# Altium PCB STM32F407IGH6BGA.PcbDoc (continued)
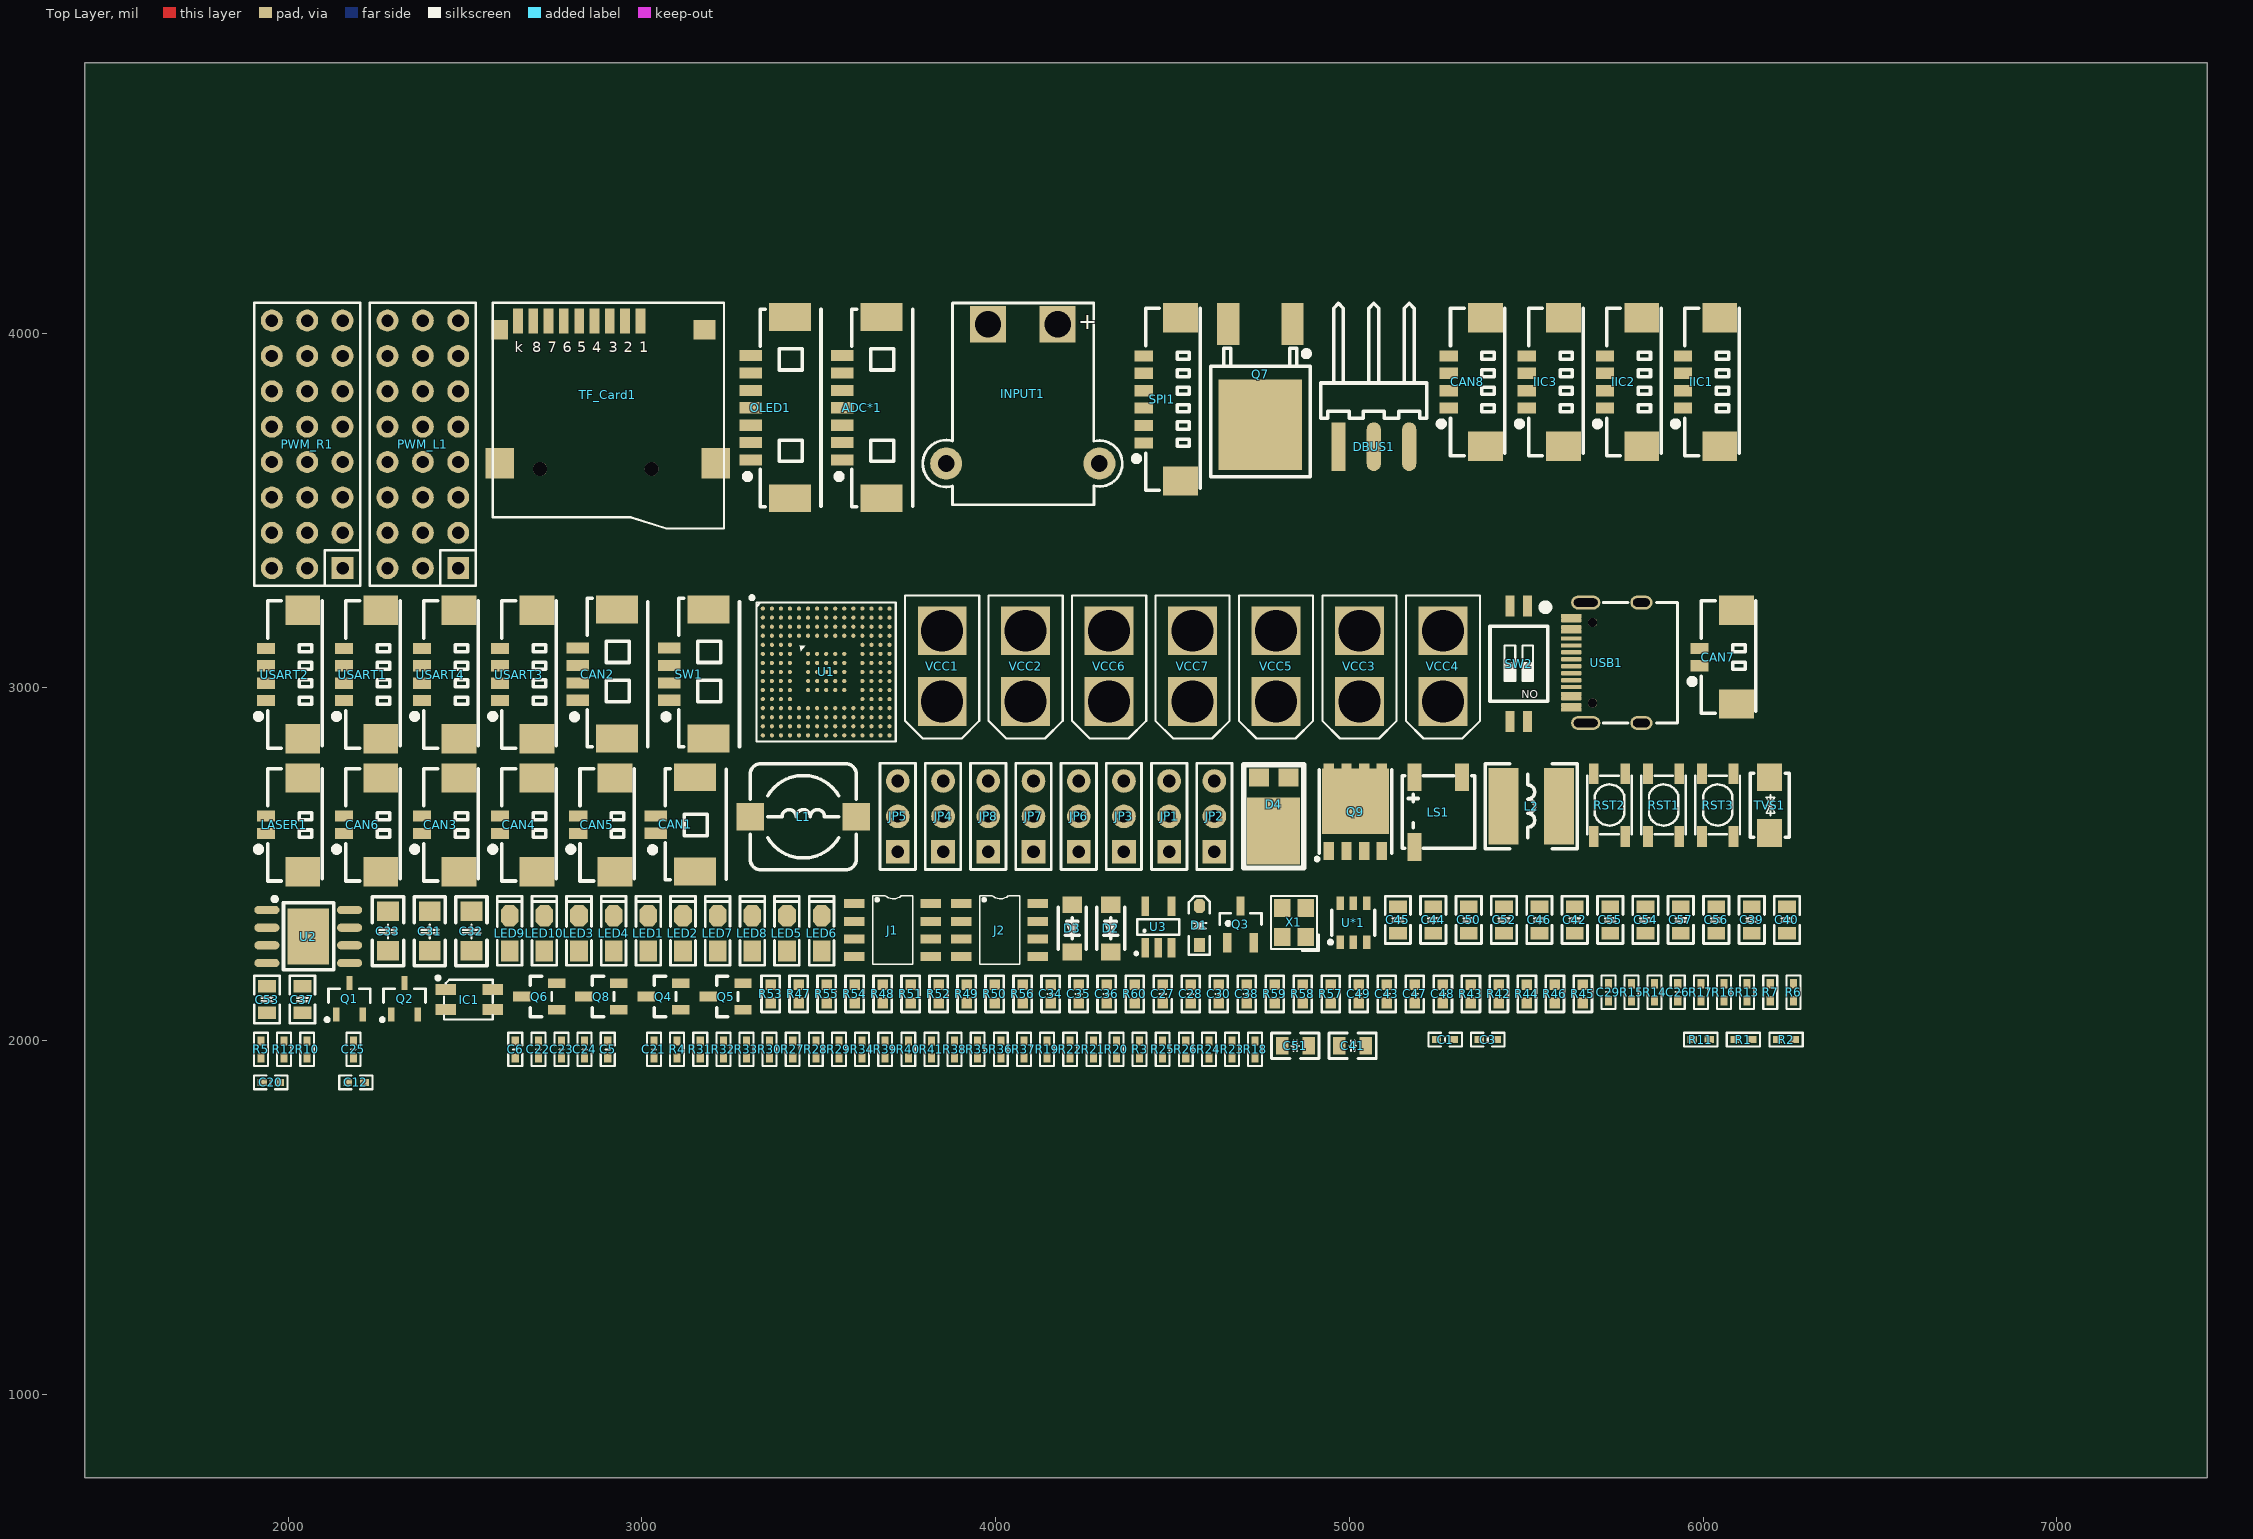
[diagram p0: Top Layer view]
## Components (designator, comment, footprint, x,y, rotation, side; value= is the part's Value field where it differs from the comment) (continued)
R51 "40.2K" "R 0603_L" 3759.65,2132.74 r90 top
R52 "1M" "R 0603_L" 3838.83,2132.74 r90 top
R53 "17.8K" "R 0603_L" 3363.74,2132.74 r90 top
R54 "243K" "R 0603_L" 3601.29,2132.74 r90 top
R55 "7.68K" "R 0603_L" 3522.11,2132.74 r90 top
R56 "200K" "R 0603_L" 4076.37,2132.74 r90 top
R57 "0R" "R 0603_L" 4947.37,2132.74 r90 top
R58 "100K" "R 0603_L" 4868.19,2132.74 r90 top
R59 "12K" "R 0603_L" 4789.01,2132.74 r90 top
R60 "2.2K" "R 0603_L" 4393.1,2132.74 r90 top
RST1 "RST" SMD-3.2*4.2 5888.42,2666.57 r90 top
RST2 "KEY" SMD-3.2*4.2 5735.44,2666.57 r90 top
RST3 "KEY" SMD-3.2*4.2 6041.41,2666.57 r90 top
SPI1 "HDR-1X6" "MX 1.25-LS-6P" 4507.77,3814.17 r90 top
SW1 "SWD" "MX 1.25-WS-4P" 3188.01,3037.27 r90 top
SW2 "SW-2P" "CSW1.27 SMD-2P" 5479.08,3066.09 r180 top
TF_Card1 "TF_Card" "Micro SD" 2869.65,3617 r0 top
TVS1 "SMAJ28CA" SMA(DO-214AC) 6188.02,2666.57 r90 top
U1 "STM32F407IGH6_MX" UBGA-176+25 3520.73,3043 r0 top
U2 "TPS54540DDAR" TPS54540 1939.43,2370.03 r0 top
U3 "RT9013-33GB" SOT23-5M 4459.82,2322.18 r0 top
U*1 "JW5026" SOT-23-6_L2.9-W1.6-P0.95-LS2.8-BL 5011.25,2333.99 r0 top
USART1 "HDR-1X4" "MX 1.25-LS-4P" 2246.5,3036.39 r90 top
USART2 "HDR-1X4" "MX 1.25-LS-4P" 2025.75,3036.39 r90 top
USART3 "HDR-1X4" "MX 1.25-LS-4P" 2688,3036.39 r90 top
USART4 "HDR-1X4" "MX 1.25-LS-4P" 2467.25,3036.39 r90 top
USB1 "USB_Type-C" Type-C-TOP 5726.51,3069.04 r0 top
VCC1 "XT30" XT30UPB-F 3848.58,3059.71 r90 top
VCC2 "XT30" XT30UPB-F 4084.58,3059.71 r90 top
VCC3 "XT30" XT30UPB-F 5028.58,3059.71 r90 top
VCC4 "XT30" XT30UPB-F 5264.58,3059.71 r90 top
VCC5 "XT30" XT30UPB-F 4792.58,3059.71 r90 top
VCC6 "XT30" XT30UPB-F 4320.58,3059.71 r90 top
VCC7 "XT30" XT30UPB-F 4556.58,3059.71 r90 top
X1 "12M" "OSC 3225-4P" 4843.31,2334.84 r90 top

## Footprints (in the part's own frame and the unit in brackets; to place one, negate y for a bottom-side part, rotate by r counter-clockwise, add the part's x,y. Pads: shape width x height; smd on the part's side, far side on the other; paste and mask are expansions set on the pad)
BUZ-SMD_4P-L5.0-W5.0-P3.80-TL [mm]
  rect 1x2 smd: 1(-1.7,2.5) 2(-1.7,-2.5) 3(1.7,2.5)
  silkscreen extent -2.6,-2.6 2.6,2.6, body extent -2.5,-2.48 2.5,2.53, height 2.51
"C 0402_M" [mil] "无极性贴片电容                                  淘宝ID:黄晶宝石"
  rect 26x20 smd: 1(-24,0) 2(24,0)
  silkscreen extent -47,-20 47,20, body extent -20,-10 20,10, height 21
"C 0603_L" [mil] "无极性贴片电容                                       淘宝ID:黄晶宝石"
  rect 30x30 smd: 1(-25.59,0) 2(25.59,0)
  silkscreen extent -51,-26 51,26, body extent -31,-16 31,16, height 32
"C 0805_L" [mil] "无极性贴片电容                                        淘宝ID:黄晶宝石"
  rect 35x50 smd: 1(-37.4,0) 2(37.4,0)
  silkscreen extent -67,-36 67,36, body extent -39,-24 39,24, height 20
"C 1206_L" [mil] "无极性贴片电容"
  rect 55x62 smd: 1(-55.12,0) 2(57.09,0)
  silkscreen extent -96,-44 98,44, body extent -63,-32 63,32, height 48
CD53 [mm] "5.8*5.2*3.5mm（长宽高）        淘宝ID:黄晶宝石"
  rect 2.15x5.5 smd: 1(-2,0) 2(2,0)
  silkscreen extent -3.3,-3.05 3.3,3.05, body extent -2.87,-2.5 2.87,2.5, height 3.6
CDRH73 [mm] "7.3*7.3*3.4mm（长宽高）"
  rect 2x2 smd: 1(-3.81,0) 2(3.81,0)
  silkscreen extent -3.81,-3.81 3.81,3.81, body extent -3.65,-3.65 3.65,3.65, height 3.65
"CSW1.27 SMD-2P" [mm] "长：4.14mm，宽：5.4mm，高：2.3mm          淘宝ID:黄晶宝石"
  rect 0.65x1.5 smd: 1(-0.635,-4.15) 2(0.635,-4.15) 3(0.635,4.15) 4(-0.635,4.15)
  silkscreen extent -2.15,-4.31 2.07,2.7, body extent -2.07,-4.35 2.07,4.35, height 2.35
HDR2.54-LI-3P [mm] "排针，3脚"
  rect 1.7x1.7 hole 0.9: 1(-2.54,0)
  round 1.7 hole 0.9: 2(0,0) 3(2.54,0)
  silkscreen extent -3.81,-1.27 3.81,1.27, body extent -3.81,-1.27 3.81,1.27, height 8.5
HDR2.54-WS-3P [mm] "3P卧式贴片排针2.54"
  rect 1.02x3.5 smd: 1(-2.54,0)
  oval 1.02x3.5 smd: 2(0,0) 3(2.54,0)
  silkscreen extent -3.81,2.03 3.81,10.29, body extent -3.81,-0.76 3.81,10.34, height 2.54
"LED 0805G" [mil] "绿色0805LED                              淘宝ID:黄晶宝石"
  rect 60x50 smd: 1(-50,0)
  oct 60x50 smd: 2(50,0)
  silkscreen extent -90,-35 105,35, body extent -39,-25 39,25, height 26
"LED 0805R" [mil] "红色0805LED                                       淘宝ID:黄晶宝石"
  rect 60x50 smd: 1(-50,0)
  oct 60x50 smd: 2(50,0)
  silkscreen extent -90,-35 105,35, body extent -39,-25 39,25, height 32
"LED 3528-4Pin" [mm] "4脚，3528LED                             淘宝ID:黄晶宝石"
  rect 1.5x0.8 smd: 1(-1.689,0.725) 2(-1.689,-0.725) 3(1.689,-0.725) 4(1.689,0.725)
  silkscreen extent -2.37,-1.42 1.69,1.68, body extent -1.88,-1.4 1.62,1.4, height 1.95
"Micro SD" [mm] "淘宝ID:黄晶宝石   店铺网址:https://shop463601444.taobao.com"
  round 1 hole 1 unplated: 0(-4,0) 0(4,0)
  rect 0.7x1.8 smd: 1(3.2,10.627) 2(2.1,10.627) 3(1,10.627) 4(-0.1,10.627) 5(-1.2,10.627) 6(-2.3,10.627) 7(-3.4,10.627) 8(-4.5,10.627) 9(-5.6,10.627)
  rect 2.032x2.2 smd: 10(-6.9,0.4) 10(8.6,0.4)
  rect 1.2x1.4 smd: 10(-6.9,10)
  rect 1.6x1.4 smd: 10(7.8,10)
  silkscreen extent -7.4,-4.28 9.2,11.94, body extent -7.05,-4 8.95,11.25, height 2
"MX 1.25-LS-2P" [mm] "长：7.25m，宽：3.7mm，高：4.7mm"
  rect 2.1x2.5 smd: 0(-3.382,-0.381) 0(3.354,-0.381)
  rect 0.8x1.3 smd: 1(-0.639,2.261) 2(0.611,2.261)
  silkscreen extent -4.04,-1.78 4.02,2.99, body extent -3.83,-1.6 3.83,2.5, height 4.7
"MX 1.25-LS-4P" [mm] "长：9.75m，宽：3.7mm，高：4.7mm"
  rect 2.1x2.5 smd: 0(-4.632,-0.381) 0(4.604,-0.381)
  rect 0.8x1.3 smd: 1(-1.889,2.261) 2(-0.639,2.261) 3(0.611,2.261) 4(1.861,2.261)
  silkscreen extent -5.29,-1.78 5.27,2.99, body extent -5.07,-1.6 5.07,2.5, height 4.7
"MX 1.25-LS-6P" [mm] "长：12.25m，宽：3.7mm，高：4.7mm"
  rect 2.1x2.5 smd: 0(-5.882,-0.381) 0(5.854,-0.381)
  rect 0.8x1.3 smd: 1(-3.139,2.261) 2(-1.889,2.261) 3(-0.639,2.261) 4(0.611,2.261) 5(1.861,2.261) 6(3.111,2.261)
  silkscreen extent -6.54,-1.78 6.52,2.99, body extent -6.32,-1.6 6.32,2.5, height 4.7
"MX 1.25-WS-2P" [mm] "长：7.65mm，宽：4.2mm，高：3.4mm"
  rect 2x3 smd: 0(-3.382,0) 0(3.382,0)
  rect 0.8x1.6 smd: 1(-0.639,2.811) 2(0.611,2.811)
  silkscreen extent -3.98,-2.23 4,3.25, body extent -3.83,-2.1 3.83,3.09, height 3.4
"MX 1.25-WS-4P" [mm] "长：10.15mm，宽：4.2mm，高：3.4mm"
  rect 2x3 smd: 0(-4.632,0) 0(4.632,0)
  rect 0.8x1.6 smd: 1(-1.889,2.811) 2(-0.639,2.811) 3(0.611,2.811) 4(1.861,2.811)
  silkscreen extent -5.23,-2.23 5.45,3.25, body extent -5.07,-2.1 5.07,3.09, height 3.4
"MX 1.25-WS-7P" [mm] "长：13.9mm，宽：4.2mm，高：3.4mm"
  rect 2x3 smd: 0(-6.507,0) 0(6.507,0)
  rect 0.8x1.6 smd: 1(-3.764,2.811) 2(-2.514,2.811) 3(-1.264,2.811) 4(-0.014,2.811) 5(1.236,2.811) 6(2.486,2.811) 7(3.736,2.811)
  silkscreen extent -7.11,-2.23 7.08,3.25, body extent -6.95,-2.1 6.95,3.09, height 3.4
"OSC 3225-4P" [mm] "3.2*2.5*0.7mm(长宽高)                         淘宝ID:黄晶宝石"
  rect 1.3x1.2 smd: 1(-1.05,-0.85) 2(1.05,-0.85) 3(1.05,0.85) 4(-1.05,0.85)
  silkscreen extent -2.03,-1.75 1.91,1.65, body extent -1.6,-1.25 1.6,1.25, height 0.7
PG-TDSON-8_L5.0-W6.0-P1.27-LS6.2-BL-EP [mil]
  rect 29.5x51.2 smd: 1(-75,-111) 2(-25,-111) 3(25,-111) 4(75,-111) 5(75,111) 6(25,111) 7(-25,111) 8(-75,111)
  rect 189x185 smd: 8(0,29)
  silkscreen extent -112,-138 102,118, body extent -105,-121 106,121, height 39
PG-TO252-3 [mil]
  rect 118.1x63 smd: 1(142.4,-90.52)
  rect 255.9x236.2 smd: 2(-142.4,0.03)
  rect 118.2x63 smd: 3(142.15,90.53)
  silkscreen extent -290,-141 74,141, body extent -241,-129 141,130, height 91
"PIN-3*8-2.54 - duplicate" [mil] "PIn Header"
  rect 62x62 hole 35: 1(0,0)
  round 62 hole 35: 2(0,100) 3(0,200) 4(100,0) 5(100,100) 6(100,200) 7(200,0) 8(200,100) 9(200,200) 10(300,0) 11(300,100) 12(300,200) 13(400,0) 14(400,100) 15(400,200) 16(500,0) 17(500,100) 18(500,200) 19(600,0) 20(600,100) 21(600,200) 22(700,0) 23(700,100) 24(700,200)
  silkscreen extent -50,-50 750,250, body extent -50,-50 750,250, height 335
"R 0402_M" [mil] "1/16W贴片电阻       淘宝ID:黄晶宝石"
  rect 26x20 smd: 1(-24,0) 2(24,0)
  silkscreen extent -47,-20 47,20, body extent -20,-10 20,10, height 12
"R 0603_L" [mil] "1/10W贴片电阻                 淘宝ID:黄晶宝石"
  rect 30x30 smd: 1(-25.59,0) 2(25.59,0)
  silkscreen extent -51,-26 51,26, body extent -31,-16 32,16, height 16
SMA(DO-214AC) [mm]
  rect 2x1.8 smd: 1(-2,0) 2(2,0)
  silkscreen extent -2.3,-1.4 2.3,1.4, body extent -2.54,-1.27 2.56,1.33, height 2.15
SMD-3.2*4.2 [mm]
  rect 1.5x0.7 smd: 1(-2.25,1.125) 1(2.25,1.125) 2(-2.25,-1.125) 2(2.25,-1.125)
  silkscreen extent -2.1,-1.6 2.1,1.6, body extent -2.73,-1.6 2.47,1.58, height 1.8
SOD-123_L2.8-W1.8-LS3.7-RD [mm]
  rect 1.2x1.4 smd: 1(-1.7,0) 2(1.7,0)
  silkscreen extent -1.5,-1 1.5,1, body extent -1.92,-0.8 1.78,0.8, height 1.22
SOD-323 [mm] "1.8x1.3X0.9mm（长宽高，不包括引脚）"
  rect 1x0.8 smd: 1(-1.4,0)
  oct 1x0.8 smd: 2(1.4,0)
  silkscreen extent -2.11,-0.76 2.11,0.76, body extent -1.34,-0.63 1.31,0.67, height 1
SOIC-8_150mil [mm]
  rect 1.473x0.65 smd: 1(0,0) 2(0,-1.27) 3(0,-2.54) 4(0,-3.81) 5(5.5,-3.81) 6(5.5,-2.54) 7(5.5,-1.27) 8(5.5,0)
  silkscreen extent 1.35,-4.34 4.2,0.58, body extent -0.3,-4.34 5.7,0.56, height 1.7
SOT23-3L [mm] "3x1.3x1mm(长宽高)    封装库来自淘宝卖家 ID：黄晶宝石"
  rect 0.45x1 smd: 1(-0.95,-1.143) 2(0.95,-1.143) 3(0,1.125)
  silkscreen extent -1.72,-1.65 1.5,0.7, body extent -1.5,-1.2 1.5,1.2, height 1.05
SOT23-5M [mm] "3x1.6x1.1mm(长宽高) 封装库来自淘宝卖家 ID：黄晶宝石"
  rect 0.55x1.4 smd: 1(-0.95,-1.5) 2(0,-1.5) 3(0.95,-1.5) 4(0.95,1.5) 5(-0.95,1.5)
  silkscreen extent -1.66,-1.98 1.5,0.56, body extent -1.5,-1.4 1.5,1.4, height 1.15
SOT-23-3 [mil]
  rect 23.62x55 smd: 1(-38,-50) 2(37,-50) 3(0,54)
  silkscreen extent -59,0 59,33, body extent -57,-55 57,55, height 47
SOT-23-3_L2.9-W1.3-P1.90-LS2.4-BR [mm]
  rect 1.25x0.7 smd: 1(1.25,-0.95) 2(1.25,0.95) 3(-1.25,0)
  silkscreen extent -0.65,-1.46 0.9,1.46, body extent -0.97,-1.5 1.43,1.5, height 1.05
SOT-23-6_L2.9-W1.6-P0.95-LS2.8-BL [mm]
  rect 0.55x1 smd: 1(-0.95,-1.4) 2(0,-1.4) 3(0.95,-1.4) 4(0.95,1.4) 5(0,1.4) 6(-0.95,1.4)
  silkscreen extent -1.78,-1.52 1.55,0.9, body extent -1.46,-1.17 1.46,1.17, height 1
TO-277B_3P-L6.1-W4.3-LS7.0-BR [mil]
  rect 50.8x56 smd: 1(76.1,-41.6) 2(76.1,41.6)
  rect 188.98x149.61 smd: 3(-76.1,0)
  silkscreen extent -180,-85 112,85, body extent -169,-94 93,94, height 47
TPS54540 [mm]
  oval 1.8x0.6 smd: 1(0,0) 2(0,-1.27) 3(0,-2.54) 4(0,-3.81) 5(5.944,-3.81) 6(5.944,-2.54) 7(5.944,-1.27) 8(5.944,0)
  rect 3x4 smd: 9(2.972,-1.905)
  silkscreen extent 0.41,-4.29 4.8,0.94, body extent 0,-4.44 6.01,0.56, height 1.9
Type-C-TOP [mm]
  round 0.65 hole 0.65: 0(-0.98,-2.89) 0(-0.98,2.89)
  oval 1.6x1 hole 0.6 slot 1.2 at 0 deg: 1(2.52,4.325) 2(2.52,-4.325)
  oval 2.1x1 hole 0.6 slot 1.7 at 0 deg: 3(-1.48,-4.325) 4(-1.48,4.325)
  rrect50% 1.5x0.3 smd: A1(-2.52,-3.35) A4(-2.52,-2.55) A5(-2.52,-1.25) A6(-2.52,-0.25) A7(-2.52,0.25) A8(-2.52,1.25) A9(-2.52,2.55) A12(-2.52,3.35) B1(-2.52,3.05) B4(-2.52,2.25) B5(-2.52,1.75) B6(-2.52,0.75) B7(-2.52,-0.75) B8(-2.52,-1.75) B9(-2.52,-2.25) B12(-2.52,-3.05)
  silkscreen extent -0.22,-4.33 5.12,4.33, body extent -2.64,-4.48 5.26,4.46, height 3.28
UBGA-176+25 [mm] "for STM32F407IGH6"
  round 0.3 smd mask+0.051: A1(-4.55,4.55) A2(-3.9,4.55) A3(-3.25,4.55) A4(-2.6,4.55) A5(-1.95,4.55) A6(-1.3,4.55) A7(-0.65,4.55) A8(0,4.55) A9(0.65,4.55) A10(1.3,4.55) A11(1.95,4.55) A12(2.6,4.55) A13(3.25,4.55) A14(3.9,4.55) A15(4.55,4.55) B1(-4.55,3.9) B2(-3.9,3.9) B3(-3.25,3.9) B4(-2.6,3.9) B5(-1.95,3.9) B6(-1.3,3.9) B7(-0.65,3.9) B8(0,3.9) B9(0.65,3.9) B10(1.3,3.9) B11(1.95,3.9) B12(2.6,3.9) B13(3.25,3.9) B14(3.9,3.9) B15(4.55,3.9) C1(-4.55,3.25) C2(-3.9,3.25) C3(-3.25,3.25) C4(-2.6,3.25) C5(-1.95,3.25) C6(-1.3,3.25) C7(-0.65,3.25) C8(0,3.25) C9(0.65,3.25) C10(1.3,3.25) C11(1.95,3.25) C12(2.6,3.25) C13(3.25,3.25) C14(3.9,3.25) C15(4.55,3.25) D1(-4.55,2.6) D2(-3.9,2.6) D3(-3.25,2.6) D4(-2.6,2.6) D5(-1.95,2.6) D6(-1.3,2.6) D7(-0.65,2.6) D8(0,2.6) D9(0.65,2.6) D10(1.3,2.6) D11(1.95,2.6) D12(2.6,2.6) D13(3.25,2.6) D14(3.9,2.6) D15(4.55,2.6) E1(-4.55,1.95) E2(-3.9,1.95) E3(-3.25,1.95) E4(-2.6,1.95) E12(2.6,1.95) E13(3.25,1.95) E14(3.9,1.95) E15(4.55,1.95) F1(-4.55,1.3) F2(-3.9,1.3) F3(-3.25,1.3) F4(-2.6,1.3) F6(-1.3,1.3) F7(-0.65,1.3) F8(0,1.3) F9(0.65,1.3) F10(1.3,1.3) F12(2.6,1.3) F13(3.25,1.3) F14(3.9,1.3) F15(4.55,1.3) G1(-4.55,0.65) G2(-3.9,0.65) G3(-3.25,0.65) G4(-2.6,0.65) G6(-1.3,0.65) G7(-0.65,0.65) G8(0,0.65) G9(0.65,0.65) G10(1.3,0.65) G12(2.6,0.65) G13(3.25,0.65) G14(3.9,0.65) G15(4.55,0.65) H1(-4.55,0) H2(-3.9,0) H3(-3.25,0) H4(-2.6,0) H6(-1.3,0) H7(-0.65,0) H8(0,0) H9(0.65,0) H10(1.3,0) H12(2.6,0) H13(3.25,0) H14(3.9,0) H15(4.55,0) J1(-4.55,-0.65) J2(-3.9,-0.65) J3(-3.25,-0.65) J4(-2.6,-0.65) J6(-1.3,-0.65) J7(-0.65,-0.65) J8(0,-0.65) J9(0.65,-0.65) J10(1.3,-0.65) J12(2.6,-0.65) J13(3.25,-0.65) J14(3.9,-0.65) J15(4.55,-0.65) K1(-4.55,-1.3) K2(-3.9,-1.3) K3(-3.25,-1.3) K4(-2.6,-1.3) K6(-1.3,-1.3) K7(-0.65,-1.3) K8(0,-1.3) K9(0.65,-1.3) K10(1.3,-1.3) K12(2.6,-1.3) K13(3.25,-1.3) K14(3.9,-1.3) K15(4.55,-1.3) L1(-4.55,-1.95) L2(-3.9,-1.95) L3(-3.25,-1.95) L4(-2.6,-1.95) L12(2.6,-1.95) L13(3.25,-1.95) L14(3.9,-1.95) L15(4.55,-1.95) M1(-4.55,-2.6) M2(-3.9,-2.6) M3(-3.25,-2.6) M4(-2.6,-2.6) M5(-1.95,-2.6) M6(-1.3,-2.6) M7(-0.65,-2.6) M8(0,-2.6) M9(0.65,-2.6) M10(1.3,-2.6) M11(1.95,-2.6) M12(2.6,-2.6) M13(3.25,-2.6) M14(3.9,-2.6) M15(4.55,-2.6) N1(-4.55,-3.25) N2(-3.9,-3.25) N3(-3.25,-3.25) N4(-2.6,-3.25) N5(-1.95,-3.25) N6(-1.3,-3.25) N7(-0.65,-3.25) N8(0,-3.25) N9(0.65,-3.25) N10(1.3,-3.25) N11(1.95,-3.25) N12(2.6,-3.25) N13(3.25,-3.25) N14(3.9,-3.25) N15(4.55,-3.25) P1(-4.55,-3.9) P2(-3.9,-3.9) P3(-3.25,-3.9) P4(-2.6,-3.9) P5(-1.95,-3.9) P6(-1.3,-3.9) P7(-0.65,-3.9) P8(0,-3.9) P9(0.65,-3.9) P10(1.3,-3.9) P11(1.95,-3.9) P12(2.6,-3.9) P13(3.25,-3.9) P14(3.9,-3.9) P15(4.55,-3.9) R1(-4.55,-4.55) R2(-3.9,-4.55) R3(-3.25,-4.55) R4(-2.6,-4.55) R5(-1.95,-4.55) R6(-1.3,-4.55) R7(-0.65,-4.55) R8(0,-4.55) R9(0.65,-4.55) R10(1.3,-4.55) R11(1.95,-4.55) R12(2.6,-4.55) R13(3.25,-4.55) R14(3.9,-4.55) R15(4.55,-4.55)
  silkscreen extent -5.46,-5 5,5.46, body extent -5,-5 5,5, height 0.6
XT30PW-M [mm]
  round 2.3 hole 1.2: 0(-5.5,-5) 0(5.5,-5)
  rect 2.6x2.6 hole 1.9: 1(-2.5,5) 2(2.5,5)
  silkscreen extent -7.18,-7.95 7.14,6.52, body extent -6.67,-7.95 6.63,6, height 5
XT30UPB-F [mm]
  rect 3.5x3.5 hole 3: 1(-2.54,0) 2(2.54,0)
  silkscreen extent -5.21,-2.67 5.08,2.67, body extent -5.04,-2.6 5.16,2.6, height 9.4

## Part data
ADC*1 OLED1: library part "Header 7", "7P接插件"
C1 C2 C3 C4 C5 C6 C7 C8 C9 C10 C11 C12 C13 C14 C15 C16 C17 C18 C19 C20 C21 C22 C23 C24 C25 C26 C27 C28 C29 C30 C31 C32 C33 C34 C35 C36 C37 C38 C39 C40 C41 C42 C43 C44 C45 C46 C47 C48 C49 C50 C51 C52 C53 C54 C55 C56 C57: library part C, "贴片电容"
CAN1 CAN3 CAN4 CAN5 CAN6 CAN7 LASER1: library part "Header 2", "2P接插件"
CAN2 CAN8 IIC1 IIC2 IIC3 USART1 USART2 USART3 USART4: library part "Header 4", "4P接插件"
D1: "开关二极管"
D4: "TO-277B系列,SVM860VB-8A"
DBUS1 JP1 JP2 JP3 JP4 JP5 JP6 JP7 JP8: library part "Header 3", "3P接插件"
J1 J2: "CAN芯片"
L1: library part L-CDRH, "功率屏蔽电感"
L2: library part L-SMD, "CD系列贴片线绕功率电感"
LED1 LED2 LED3 LED4 LED5 LED6 LED7 LED8 LED9 LED10: library part LED-SMD, "贴片LED"
LS1: "蜂鸣器"
PWM_L1 PWM_R1: "Connector"
Q1 Q2: library part 8050-SMD, "高频放大-NPN型"
Q3: "NPN Bipolar Transistor"
R1 R2 R3 R4 R5 R6 R7 R8 R9 R10 R11 R12 R13 R14 R15 R16 R17 R18 R19 R20 R21 R22 R23 R24 R25 R26 R27 R28 R29 R30 R31 R32 R33 R34 R35 R36 R37 R38 R39 R40 R41 R42 R43 R44 R45 R46 R47 R48 R49 R50 R51 R52 R53 R54 R55 R56 R57 R58 R59 R60: library part R, "贴片电阻"
RST1 RST2 RST3: library part KEY_M
SPI1: library part "Header 6", "6P接插件"
SW1: library part HDR1x4, "Connector"
SW2: "2路编码开关"
TF_Card1: "TF卡座"
U2: BOM_LCSC Assembly=Yes, BOM_Manufacturer=TI, BOM_Manufacturer Part=TPS54540DDAR, BOM_Supplier=LCSC, BOM_Supplier Part=C95286, SMT Type=Extend, spicePre=U
U*1: "BUCK、MAX40V"
X1: library part XTAL-4P, "4脚无源晶振"

## Nets (pads, with @x,y where several pads share a name; then routed paths per layer and width w, separated by ;. In a path a pad name is that pad's centre, name@x,y a point inside that pad or via, vN(x,y) a via of type N, cw(c..) or ccw(c..) an arc to the next point about the centre after c; other vN are vias at no path point)
ADC123_IN10(PC0): ADC*1.2 U1.M2
ADC123_IN11(PC1): ADC*1.3 U1.M3
ADC123_IN12(PC2): ADC*1.4 U1.M4
ADC123_IN13(PC3): ADC*1.5 U1.M5
ADC123_IN14(PC4): ADC*1.6 U1.N5
ADC123_IN15(PC5): ADC*1.7 U1.P5
BOOT0: R3.2 SW2.1 U1.D6
BOOT1: R5.2 SW2.2 U1.M6
BUTTON_AD(PF5): OLED1.7 U1.K3
CAN1_H: CAN1.2 CAN2.2 CAN3.1 CAN4.1 CAN5.1 CAN6.1 J1.7 R12.2
CAN1_L: CAN1.1 CAN2.1 CAN3.2 CAN4.2 CAN5.2 CAN6.2 J1.6 R12.1
CAN1_RX(PD0): J1.4 U1.B12
CAN1_TX(PD1): J1.1 U1.C12
CAN2_H: CAN7.1 CAN8.2 J2.7 R18.2
CAN2_L: CAN7.2 CAN8.1 J2.6 R18.1
CAN2_RX(PB5): J2.4 U1.A6
CAN2_TX(PB6): J2.1 U1.B6
DIN_5V0_1: IC1.2 Q4.3 R36.2
DIN_5V0_2: JP5.1 Q5.3 R37.2
DIN_5V0_3: JP7.1 Q6.3 R40.2
FB_2: C38.1 R51.1 R55.2 U2.5
GND: ADC*1.1 C1.1 C2.2 C3.2 C4.2 C5.1 C6.1 C7.2 C8.2 C9.2 C10.2 C11.2 C12.2 C13.2 C14.2 C15.2 C16.2 C17.2 C18.2 C19.2 C20.2 C21.1 C22.1 C23.2 C24.2 C25.2 C26.2 C29.1 C50.1 C51.1 C52.1 C53.1 C54.1 C55.1 C56.1 C57.1 CAN2.3 CAN8.3 DBUS1.1 IC1.1 IIC1.3 IIC2.3 IIC3.3 J1.8 J2.8 JP1.3 JP2.3 JP3.3 JP4.3 JP5.3 JP6.3 JP7.3 JP8.3 OLED1.2 PWM_L1.3 PWM_L1.6 PWM_L1.9 PWM_L1.12 PWM_L1.15 PWM_L1.18 PWM_L1.21 PWM_L1.24 PWM_R1.1 PWM_R1.4 PWM_R1.7 PWM_R1.10 PWM_R1.13 PWM_R1.16 PWM_R1.19 PWM_R1.22 Q1.2 Q2.2 Q3.2 R3.1 R5.1 R8.2 R16.1 R17.1 R57.1 R60.1 RST1.2 SPI1.6 SW1.3 TF_Card1.6 TF_Card1.10 U1.D5 U1.D7 U1.D8 U1.D9 U1.F2 U1.F6 U1.F7 U1.F8 U1.F9 U1.F10 U1.F12 U1.G2 U1.G6 U1.G7 U1.G8 U1.G9 U1.G10 U1.G12 U1.H6 U1.H7 U1.H8 U1.H9 U1.H10 U1.H12 U1.J6 U1.J7 U1.J8 U1.J9 U1.J10 U1.K6 U1.K7 U1.K8 U1.K9 U1.K10 U1.M1 U1.M8 U1.M9 U1.N1 U3.2 U*1.2 USART1.3 USART2.3 USART3.3 USART4.3 USB1.A1 USB1.A12 USB1.B1 USB1.B12 X1.2 X1.4
GND_IN: C34.1 D2.2 INPUT1.1 Q9.5 Q9.6 Q9.7 Q9.8 TVS1.2
I2C1_SCL(PB8): IIC1.1 U1.A5
I2C1_SDA(PB9): IIC1.2 U1.B4
I2C2_SCL(PH4): IIC2.1 U1.H4
I2C2_SDA(PH5): IIC2.2 U1.J4
I2C3_SCL(PH7): IIC3.1 U1.N12
I2C3_SDA(PH8): IIC3.2 U1.M12
KEY0(PF1): RST2.2 U1.H3
KEY_WKUP: RST3.2 U1.N3
LASER(PG9): R13.1 U1.C10
LED1(PG0): LED1.2 U1.N7
LED2(PG1): LED2.2 U1.M7
LED3(PG2): LED3.2 U1.L15
LED4(PG3): LED4.2 U1.K15
LED5(PG4): LED5.2 U1.K14
LED6(PG5): LED6.2 U1.K13
LED7(PG6): LED7.2 U1.J15
LED8(PG7): LED8.2 U1.J14
LED(PG10): LED9.2 U1.B10
LED(PG11): LED10.2 U1.B9
NetC17_1: C17.1 U1.F13
NetC19_1: C19.1 U1.M10
NetC21_2: C21.2 C22.2 R7.2 U1.R1
NetC27_1: C27.1 J1.2
NetC28_1: C28.1 J2.2
NetC30_1: C30.1 Q8.3 R43.1 R44.1 R49.2
NetC30_2: C30.2 Q8.1 R47.1
NetC34_2: C34.2 R45.1
NetC35_2: C35.2 R46.1
NetC36_1: C36.1 R50.1
NetC36_2: C36.2 D4.3 L1.1 U2.8
NetC43_1: C43.1 R53.1
NetC47_1: C47.1 R53.2 U2.6
NetC48_1: C48.1 U*1.1
NetC48_2: C48.2 L2.1 U*1.6
NetC49_1: C49.1 R59.1 R60.2 U*1.3
NetD1_1: D1.1 LS1.2 Q2.3
NetD2_1: D2.1 R42.1 R47.2
NetD3_1: D3.1 Q9.4 R48.1
NetDBUS1_3: DBUS1.3 R15.2
NetLASER1_2: LASER1.2 Q1.3
NetLED1_1: LED1.1 R19.2
NetLED2_1: LED2.1 R20.2
NetLED3_1: LED3.1 R23.2
NetLED4_1: LED4.1 R25.2
NetLED5_1: LED5.1 R26.2
NetLED6_1: LED6.1 R29.2
NetLED7_1: LED7.1 R30.2
NetLED8_1: LED8.1 R31.2
NetLED9_1: LED9.1 R32.2
NetLED10_1: LED10.1 R35.2
NetQ1_1: Q1.1 R13.2 R16.2
NetQ2_1: Q2.1 R14.2 R17.2
NetQ3_1: Q3.1 R15.1
NetQ7_1: Q7.1 R43.2
NetR1_1: R1.1 SW1.1
NetR2_1: R2.1 SW1.2
NetR4_1: R4.1 SW2.4
NetR6_1: R6.1 SW2.3
NetR8_1: R8.1 U1.L4
NetR9_1: R9.1 U1.C6
NetR50_2: R50.2 U2.1
NetR52_1: R52.1 R56.2 U2.3
NetR54_1: R54.1 U2.4
NetR58_1: R58.1 U*1.4
NRST: C24.1 R10.1 RST1.1 U1.J1
OLED_CLK(PA5): OLED1.5 U1.P4
OLED_DC(PA4): OLED1.4 U1.N4
OLED_MOSI(PA7): OLED1.6 U1.R3
OLED_RST(PA6): OLED1.3 U1.P3
OSC_IN: C23.1 U1.G1 X1.3
OSC_OUT: C25.1 U1.H1 X1.1
PF14: JP1.1 U1.R7
PF15: JP3.1 U1.P7
PGND: C31.1 C32.1 C33.1 C35.1 C37.1 C39.1 C40.1 C41.1 C42.1 C43.2 C44.1 C45.1 C46.1 C47.2 D3.2 D4.1 D4.2 Q9.1 Q9.2 Q9.3 R49.1 R54.2 R55.1 R56.1 R57.2 U2.7 U2.9 VCC1.1 VCC2.1 VCC3.1 VCC4.1 VCC5.1 VCC6.1 VCC7.1
PVIN: C31.2 C32.2 C33.2 C44.2 C45.2 C46.2 C52.2 C53.2 Q7.2 R46.2 R52.2 R58.2 U2.2 U*1.5 VCC1.2 VCC2.2 VCC3.2 VCC4.2 VCC5.2 VCC6.2 VCC7.2
SDIO_CLK(PC12): TF_Card1.5 U1.A12
SDIO_CMD(PD2): R24.2 TF_Card1.3 U1.D12
SDIO_D0(PC8): R27.2 TF_Card1.7 U1.G14
SDIO_D1(PC9): R28.2 TF_Card1.8 U1.F14
SDIO_D2(PC10): R21.2 TF_Card1.1 U1.B14
SDIO_D3(PC11): R22.2 TF_Card1.2 U1.B13
SPI2_CLK(PB13): SPI1.4 U1.P13
SPI2_MISO(PB14): SPI1.2 U1.R14
SPI2_MOSI(PB15): SPI1.3 U1.R15
SPI2_NSS(PB12): SPI1.1 U1.P12
SWCLK(PA14): R2.2 U1.A14
SWDIO(PA13): R1.2 U1.A15
TIM1_CH1(PE9): JP2.1 U1.P9
TIM1_CH2(PE11): JP4.1 U1.P10
TIM1_CH3(PE13): JP6.1 U1.N11
TIM1_CH4(PE14): JP8.1 U1.P11
TIM2_CH1(PA15): PWM_L1.1 U1.A13
TIM2_CH2(PB3): PWM_L1.4 U1.A10
TIM2_CH3(PA2): PWM_L1.7 U1.P2
TIM2_CH4(PA3): PWM_L1.10 U1.R2
TIM4_CH1(PD12): PWM_R1.3 U1.N13
TIM4_CH2(PD13): PWM_R1.6 U1.M15
TIM4_CH3(PD14): PWM_R1.9 U1.M14
TIM4_CH4(PD15): PWM_R1.12 U1.L14
TIM5_CH1(PH10): PWM_R1.15 U1.L13
TIM5_CH2(PH11): PWM_R1.18 U1.L12
TIM5_CH3(PH12): PWM_R1.21 U1.K12
TIM5_CH4(PI0): PWM_R1.24 U1.E14
TIM8_CH1(PI5): PWM_L1.13 U1.C4
TIM8_CH2(PI6): PWM_L1.16 U1.C3
TIM8_CH3(PI7): PWM_L1.19 U1.C2
TIM8_CH4(PI2): PWM_L1.22 U1.C14
TIM10_CH1(PF6): R14.1 U1.K2
TIM11_CH1(PF7): Q5.2 R39.2 U1.K1
TIM13_CH1(PF8): Q6.2 R41.2 U1.L3
TIM14_CH1(PF9): Q4.2 R38.2 U1.L2
UART4_RX(PA1): Q3.3 R11.1 U1.N2
USART1_RX(PA10): U1.D15 USART1.2
USART1_TX(PA9): U1.E15 USART1.1
USART2_RX(PD6): U1.B11 USART2.2
USART2_TX(PD5): U1.C11 USART2.1
USART3_RX(PD9): U1.P14 USART3.2
USART3_TX(PD8): U1.P15 USART3.1
USART6_RX(PC7): U1.G15 USART4.2
USART6_TX(PC6): U1.H15 USART4.1
USB_DM: R33.2 USB1.A7 USB1.B7
USB_DM(PA11): R33.1 U1.C15
USB_DP: R34.2 USB1.A6 USB1.B6
USB_DP(PA12): R34.1 U1.B15
VBUS: C27.2 C28.2 J1.3 J2.3 USB1.A4 USB1.B9
VCC3V3: C1.2 C2.1 C3.1 C4.1 C5.2 C6.2 C7.1 C8.1 C9.1 C10.1 C11.1 C12.1 C13.1 C14.1 C15.1 C16.1 C18.1 C20.1 C55.2 C57.2 Q4.1 Q5.1 Q6.1 R4.2 R6.2 R7.1 R9.2 R10.2 R38.1 R39.1 R41.1 U1.C1 U1.C5 U1.C7 U1.C8 U1.C9 U1.F3 U1.G3 U1.G13 U1.H13 U1.J12 U1.J13 U1.K4 U1.N8 U1.N9 U1.N10 U1.P1 U3.5
VCC5V: C26.1 C49.2 C50.2 C51.2 C54.2 C56.2 CAN2.4 CAN8.4 D1.2 DBUS1.2 IC1.3 IIC1.4 IIC2.4 IIC3.4 L2.2 LASER1.1 LS1.1 R36.1 R37.1 R40.1 R59.2 SPI1.5 U3.1 U3.3 USART1.4 USART2.4 USART3.4 USART4.4
VCC_3V3: C29.2 OLED1.1 R11.2 R19.1 R20.1 R21.1 R22.1 R23.1 R24.1 R25.1 R26.1 R27.1 R28.1 R29.1 R30.1 R31.1 R32.1 R35.1 RST2.1 RST3.1 SW1.4 TF_Card1.4
VCC_IN: INPUT1.2 Q7.3 Q8.2 R42.2 R44.2 R45.2 R48.2 TVS1.1
VCC_PWM: C37.2 C38.2 C39.2 C40.2 C41.2 C42.2 JP1.2 JP2.2 JP3.2 JP4.2 JP5.2 JP6.2 JP7.2 JP8.2 L1.2 PWM_L1.2 PWM_L1.5 PWM_L1.8 PWM_L1.11 PWM_L1.14 PWM_L1.17 PWM_L1.20 PWM_L1.23 PWM_R1.2 PWM_R1.5 PWM_R1.8 PWM_R1.11 PWM_R1.14 PWM_R1.17 PWM_R1.20 PWM_R1.23 R51.2
pads on no net: ADC*1.0 CAN1.0 CAN2.0 CAN3.0 CAN4.0 CAN5.0 CAN6.0 CAN7.0 CAN8.0 IC1.4 IIC1.0 IIC2.0 IIC3.0 INPUT1.0 J1.5 J2.5 LASER1.0 LS1.3 OLED1.0 SPI1.0 SW1.0 TF_Card1.0 TF_Card1.9 U1.A1 U1.A2 U1.A3 U1.A4 U1.A7 U1.A8 U1.A9 U1.A11 U1.B1 U1.B2 U1.B3 U1.B5 U1.B7 U1.B8 U1.C13 U1.D1 U1.D2 U1.D3 U1.D4 U1.D10 U1.D11 U1.D13 U1.D14 U1.E1 U1.E2 U1.E3 U1.E4 U1.E12 U1.E13 U1.F1 U1.F4 U1.F15 U1.G4 U1.H2 U1.H14 U1.J2 U1.J3 U1.L1 U1.M11 U1.M13 U1.N6 U1.N14 U1.N15 U1.P6 U1.P8 U1.R4 U1.R5 U1.R6 U1.R8 U1.R9 U1.R10 U1.R11 U1.R12 U1.R13 U3.4 USART1.0 USART2.0 USART3.0 USART4.0 USB1.0 USB1.1 USB1.2 USB1.3 USB1.4 USB1.A5 USB1.A8 USB1.A9 USB1.B4 USB1.B5 USB1.B8

## Text inside footprints (layer, text, board x,y; h text height)
INPUT1: Top Overlay "+" at 4233.24,3996.06 h78.74
SW2: Top Overlay "ON" at 5534.08,2999.32 h39.37 r180
TF_Card1: Top Overlay "k" at 2639.65,3947 h30; Top Overlay "8" at 2689.64,3947 h30; Top Overlay "7" at 2733.64,3947 h30; Top Overlay "6" at 2775.64,3947 h30; Top Overlay "5" at 2817.64,3947 h30; Top Overlay "4" at 2859.64,3947 h30; Top Overlay "3" at 2906.64,3947 h30; Top Overlay "2" at 2948.64,3947 h30; Top Overlay "1" at 2991.64,3947 h30